# Altium PCB AKK_V2.1.PcbDoc (continued)
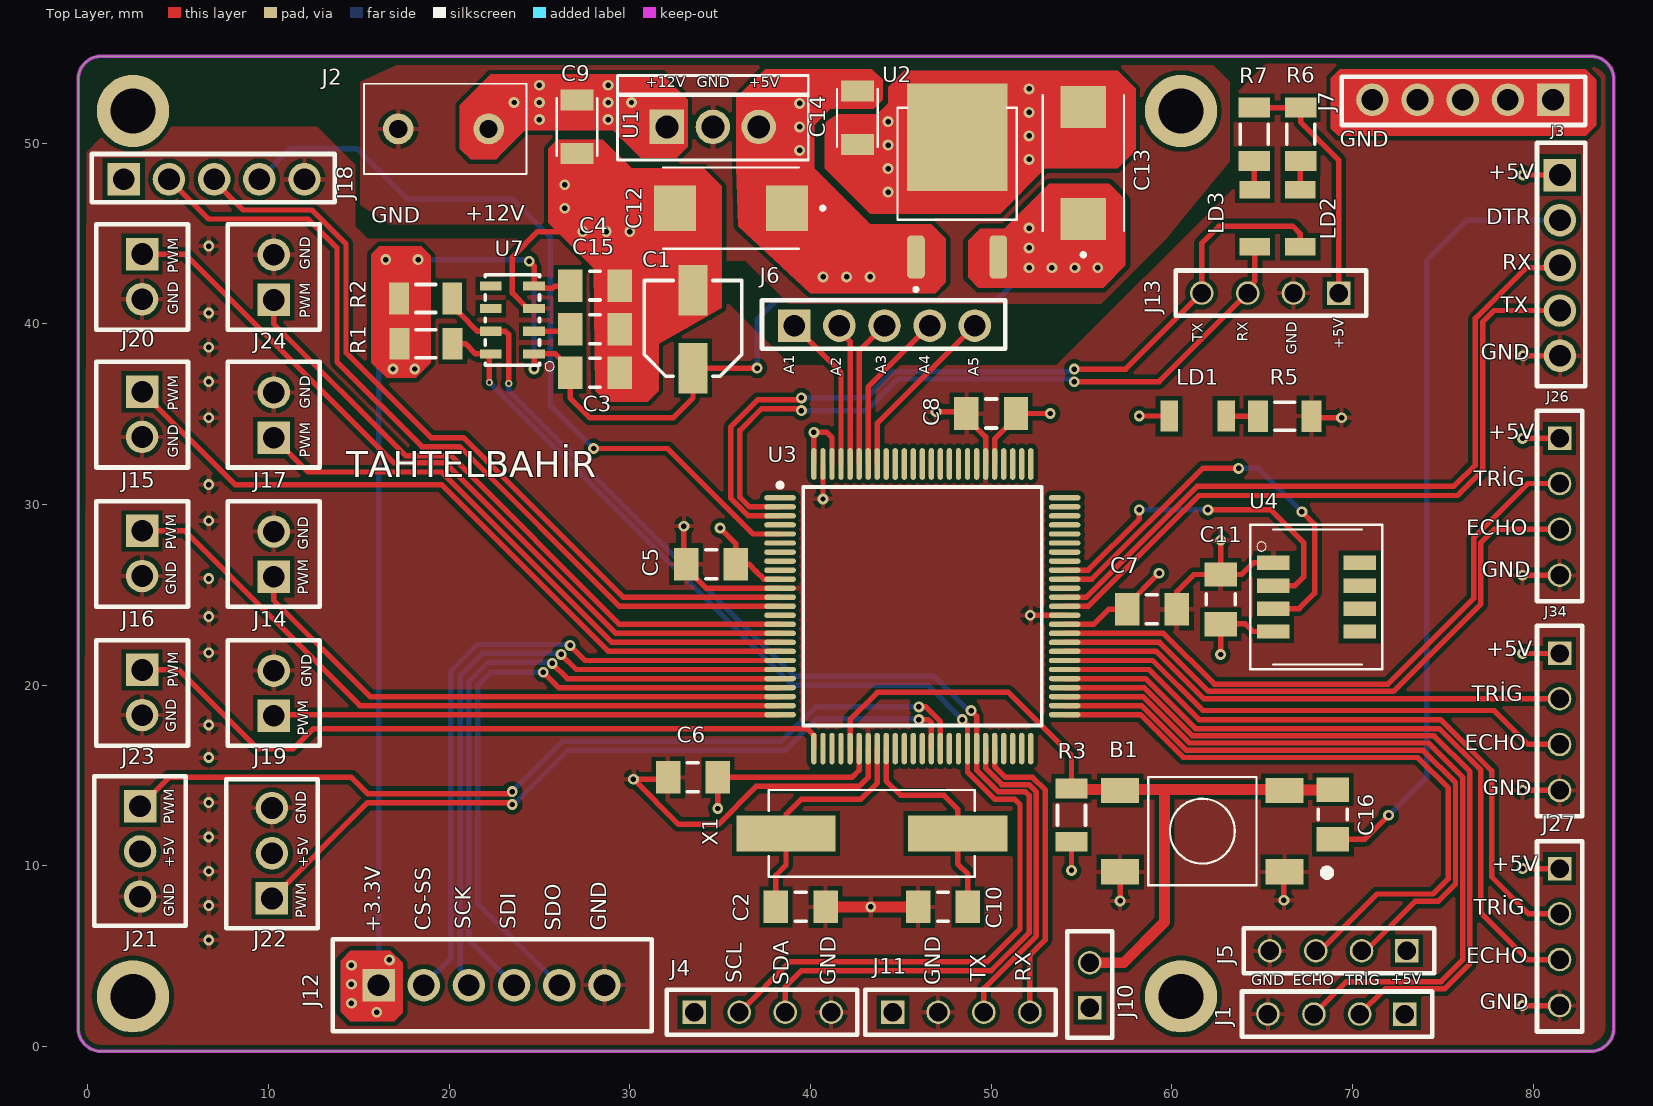
[diagram p0: Top Layer view]
## Part data
B1: library part B3FS-1012P, "SWITCH TACTILE SPST-NO 0.05A 24V", Case/Package=SMD/SMT, Contact Resistance=100mR, Current Rating=50mA, Manufacturer=Omron, Max Operating Temperature=70°C, Max Voltage Rating (DC)=24V, Min Operating Temperature=-20°C, Operating Force=1.47N, Package Quantity=1, Actuator Length=1.7mm, Actuator Type=Standard, Category="Tactile Switches", ComponentLink1Description=https://datasheet.ciiva.com/30089/en-b3fs-30089264.pdf?src-supplier=Onlinecomponents.com, ComponentLink1URL=https://datasheet.ciiva.com/30089/en-b3fs-30089264.pdf?src-supplier=Onlinecomponents.com, ComponentLink2Description=https://datasheet.ciiva.com/2901/1200910001-jpg-2901308.pdf?src-supplier=Digi-Key, ComponentLink2URL=https://datasheet.ciiva.com/2901/1200910001-jpg-2901308.pdf?src-supplier=Digi-Key, ComponentLink3Description=https://datasheet.ciiva.com/2901/en-b3fs-2901309.pdf?src-supplier=Digi-Key, ComponentLink3URL=https://datasheet.ciiva.com/2901/en-b3fs-2901309.pdf?src-supplier=Digi-Key, ComponentLink4Description=https://datasheet.ciiva.com/2901/en-b3fs-2901310.pdf?src-supplier=Digi-Key, ComponentLink4URL=https://datasheet.ciiva.com/2901/en-b3fs-2901310.pdf?src-supplier=Digi-Key, Contact Plating=Silver, Depth=8mm, Electrical Life=300000Cycles, Length=6.3mm, Manufacturer Part Number=B3FS-1012P, Max Current Rating=50mA, Mechanical Life=300000Cycles, Mount="Surface Mount", Orientation=Straight, Packaging="Tape and Reel", Pricing 1="1000=0,33775, 2000=0,33710, 4000=0,33643, 6000=0,32612, 8000=0,30625 (USD)", Radiation Hardening=No, RoHS=Yes, Stock 1=221000, Supplier 1=Avnet, Supplier Part Number 1=B3FS-1012P, Switch Function=Off-Mom, Switch Travel=0.25mm, Termination="Gull Wing", Throw Configuration=SPST, Voltage Rating (DC)=24V, Weight=0.2g, Illumination Type=Non-Illuminated
C1: library part EEE-1CA100SR, "Capacitor; Alum Electrolytic; Cap 10 uF; Tol 20%; Vol-Rtg 16 VDC; SMT; 4x5.5; Cut Tape", Capacitance=10uF, Case/Package=Radial, Dielectric Material=Aluminium, Leakage Current=3uA, Manufacturer=Panasonic, Max Operating Temperature=85°C, Min Operating Temperature=-40°C, Package Quantity=2000, Ripple Current=28mA, Tolerance=20%, Voltage=16V, Category="Aluminum Electrolytic Capacitors", ComponentLink1Description=https://datasheet.ciiva.com/11784/0900766b8078636e-11784608.pdf?src-supplier=RSComponents, ComponentLink1URL=https://datasheet.ciiva.com/11784/0900766b8078636e-11784608.pdf?src-supplier=RSComponents, ComponentLink2Description=https://datasheet.ciiva.com/19458/1355487-19458346.pdf?src-supplier=Jameco, ComponentLink2URL=https://datasheet.ciiva.com/19458/1355487-19458346.pdf?src-supplier=Jameco, ComponentLink3Description=https://datasheet.ciiva.com/2983/aba0000ce2-2983908.pdf?src-supplier=Avnet, ComponentLink3URL=https://datasheet.ciiva.com/2983/aba0000ce2-2983908.pdf?src-supplier=Avnet, ComponentLink4URL=https://datasheet.ciiva.com/46435/aba0000ce2-46435189.pdf?src-supplier=Element14, ComponentLink6Description=https://datasheet.ciiva.com/43485/aba0000ce2-43485607.pdf?src-supplier=Farnell, ComponentLink6URL=https://datasheet.ciiva.com/43485/aba0000ce2-43485607.pdf?src-supplier=Farnell, ComponentLink7URL=https://datasheet.ciiva.com/14603/70255710-14603768.pdf?src-supplier=Allied+Electronics, ComponentLink8Description=https://datasheet.ciiva.com/17353/aba0000ce2-17353304.pdf?src-supplier=Avnet+Europe, ComponentLink8URL=https://datasheet.ciiva.com/17353/aba0000ce2-17353304.pdf?src-supplier=Avnet+Europe, ComponentLink9Description=https://datasheet.ciiva.com/14589/70255710-14589897.pdf?src-supplier=Allied+Electronics, ComponentLink9URL=https://datasheet.ciiva.com/14589/70255710-14589897.pdf?src-supplier=Allied+Electronics, Contact Plating=Tin, Diameter=4mm, Height=5.4mm, Height - Seated (Max)=0.213inch, Lead Free="Lead Free", Lead Length=1.8mm, Lead Pitch=1mm, Length=5.5mm, Life (Hours)=2000Hour, Manufacturer Part Number=EEE-1CA100SR, Mount="Surface Mount,PCB", Number of Pins=2, Packaging="Tape and Reel", Polarity=Polar, Pricing 1="2000=0,05160, 4000=0,05110, 10000=0,04690, 1=0,22540, 10=0,18810 (USD)", Radiation Hardening=No, REACH SVHC="No SVHC", Ripple Current (AC)=28mA, RoHS=Yes, Stock 1=148000, Supplier 1=Arrow, Supplier Part Number 1=EEE-1CA100SR, Termination=SMD/SMT, Voltage Rating=16V, Voltage Rating (DC)=16V, Width=4.3mm
C2 C3 C4 C5 C6 C7 C8 C10 C11 C15: library part C1206C104K5RAC7210, "CAP CER 0.1UF 50V X7R 1206", Capacitance=100nF, Case Code (Metric)=3216, Case Code (Imperial)=1206, Dielectric=X7R, Dielectric Material=Ceramic, Manufacturer=KEMET, Max Operating Temperature=125°C, Min Operating Temperature=-55°C, Package Quantity=10000, Supplier Part Number 1=399-7357-2-ND, Tolerance=10%, Voltage Rating=50V, Case/Package=1206, Category="Ceramic Capacitors", ComponentLink1Description=https://datasheet.ciiva.com/16623/datasheetpn-c1206c104k5rac7210-16623777.pdf?src-supplier=Avnet+Europe, ComponentLink1URL=https://datasheet.ciiva.com/16623/datasheetpn-c1206c104k5rac7210-16623777.pdf?src-supplier=Avnet+Europe, ComponentLink2Description=https://datasheet.ciiva.com/18194/getdatasheetpartid-94372-18194154.pdf?src-supplier=Verical, ComponentLink2URL=https://datasheet.ciiva.com/18194/getdatasheetpartid-94372-18194154.pdf?src-supplier=Verical, Depth=1.6mm, Height=0.78mm, Length=3.2mm, Manufacturer Part Number=C1206C104K5RAC7210, Mount="Surface Mount", Packaging="Tape and Reel", Pricing 1="10000=0,01650, 20000=0,01568 (USD)", Radiation Hardening=No, RoHS=Yes, Stock 1=70000, Supplier 1=Digi-Key, Termination=SMD/SMT, Thickness=0.035inch, Voltage Rating (DC)=50V, Width=1.6mm
C9 C14: library part TCJA106M020R0150, "CAP TANT POLY 10UF 20V 1206", Capacitance=10uF, Case Code (Metric)=3216, Case Code (Imperial)=1206, ESR (Equivalent Series Resistance)=150mR, Manufacturer="Kyocera AVX", Max Operating Temperature=105°C, Min Operating Temperature=-55°C, Supplier Part Number 1=TCJA106M020R0150-REEL, Tolerance=20%, Voltage Rating=20V, Case/Package=1206, Category="Polymer Capacitors", ComponentLink1Description=http://www.farnell.com/datasheets/2708905.pdf?src-supplier=Farnell, ComponentLink1URL=http://www.farnell.com/datasheets/2708905.pdf?src-supplier=Farnell, ComponentLink2Description=http://datasheets.avx.com/TCJ.pdf?src-supplier=Digi-Key, ComponentLink2URL=http://datasheets.avx.com/TCJ.pdf?src-supplier=Digi-Key, ComponentLink3Description=http://catalogs.avx.com/TantalumNiobium.pdf?src-supplier=Digi-Key, ComponentLink3URL=http://catalogs.avx.com/TantalumNiobium.pdf?src-supplier=Digi-Key, Features="General Purpose", Life (Hours)=2000Hour, Manufacturer Part Number=TCJA106M020R0150, Mount="Surface Mount", Packaging="Tape and Reel", Pricing 1="2000=0,29500 (USD)", RoHS=No, Stock 1=8000, Supplier 1="Future Electronics"
C12: library part TCJD226M035R0100, "CAP TANT POLY 22UF 35V 2917", Case Code (Metric)=7343, Case Code (Imperial)=2917, ESR (Equivalent Series Resistance)=100mR, Manufacturer="Kyocera AVX", Max Operating Temperature=125°C, Min Operating Temperature=-55°C, Package Quantity=1, Resistance=0.1R, Tolerance=20%, Voltage Rating=35V, Capacitance=22uF, Case/Package=2917, Category="Tantalum Capacitors", ComponentLink1Description=https://datasheet.ciiva.com/265/tcj-265476.pdf?src-supplier=Digi-Key, ComponentLink1URL=https://datasheet.ciiva.com/265/tcj-265476.pdf?src-supplier=Digi-Key, ComponentLink2Description=https://datasheet.ciiva.com/265/tcj-265477.pdf?src-supplier=Digi-Key, ComponentLink2URL=https://datasheet.ciiva.com/265/tcj-265477.pdf?src-supplier=Digi-Key, ComponentLink3Description=https://datasheet.ciiva.com/265/tcj-265478.pdf?src-supplier=Digi-Key, ComponentLink3URL=https://datasheet.ciiva.com/265/tcj-265478.pdf?src-supplier=Digi-Key, Depth=4.3mm, Height=3.1mm, Height - Seated (Max)=0.122inch, Lead Free="Lead Free", Length=7.3mm, Manufacturer Part Number=TCJD226M035R0100, Mount="Surface Mount", Packaging="Tape and Reel", Pricing 1="1=2,46600, 10=2,37000, 25=2,34600, 100=2,07700, 250=2,06700 (USD)", Radiation Hardening=No, RoHS=Yes, Stock 1=400, Supplier 1=Arrow, Supplier Part Number 1=TCJD226M035R0100, Termination=SMD/SMT, Voltage Rating (DC)=35V, Width=4.3mm
C13: library part TCJD226M035R0100, "CAP TANT POLY 22UF 35V 2917", Capacitance=22uF, Case Code (Metric)=7343, Case Code (Imperial)=2917, ESR (Equivalent Series Resistance)=100mR, Manufacturer="Kyocera AVX", Max Operating Temperature=125°C, Min Operating Temperature=-55°C, Package Quantity=1, Resistance=0.1R, Tolerance=20%, Voltage Rating=35V, Case/Package=2917, Category="Tantalum Capacitors", ComponentLink1Description=https://datasheet.ciiva.com/265/tcj-265476.pdf?src-supplier=Digi-Key, ComponentLink1URL=https://datasheet.ciiva.com/265/tcj-265476.pdf?src-supplier=Digi-Key, ComponentLink2Description=https://datasheet.ciiva.com/265/tcj-265477.pdf?src-supplier=Digi-Key, ComponentLink2URL=https://datasheet.ciiva.com/265/tcj-265477.pdf?src-supplier=Digi-Key, ComponentLink3Description=https://datasheet.ciiva.com/265/tcj-265478.pdf?src-supplier=Digi-Key, ComponentLink3URL=https://datasheet.ciiva.com/265/tcj-265478.pdf?src-supplier=Digi-Key, Depth=4.3mm, Height=3.1mm, Height - Seated (Max)=0.122inch, Lead Free="Lead Free", Length=7.3mm, Manufacturer Part Number=TCJD226M035R0100, Mount="Surface Mount", Packaging="Tape and Reel", Pricing 1="1=2,46600, 10=2,37000, 25=2,34600, 100=2,07700, 250=2,06700 (USD)", Radiation Hardening=No, RoHS=Yes, Stock 1=400, Supplier 1=Arrow, Supplier Part Number 1=TCJD226M035R0100, Termination=SMD/SMT, Voltage Rating (DC)=35V, Width=4.3mm
C16: library part C1206C104K5RAC7210, "CAP CER 0.1UF 50V X7R 1206", Case Code (Metric)=3216, Case Code (Imperial)=1206, Dielectric=X7R, Dielectric Material=Ceramic, Manufacturer=KEMET, Max Operating Temperature=125°C, Min Operating Temperature=-55°C, Package Quantity=10000, Supplier Part Number 1=399-7357-2-ND, Tolerance=10%, Voltage Rating=50V, Capacitance=100nF, Case/Package=1206, Category="Ceramic Capacitors", ComponentLink1Description=https://datasheet.ciiva.com/16623/datasheetpn-c1206c104k5rac7210-16623777.pdf?src-supplier=Avnet+Europe, ComponentLink1URL=https://datasheet.ciiva.com/16623/datasheetpn-c1206c104k5rac7210-16623777.pdf?src-supplier=Avnet+Europe, ComponentLink2Description=https://datasheet.ciiva.com/18194/getdatasheetpartid-94372-18194154.pdf?src-supplier=Verical, ComponentLink2URL=https://datasheet.ciiva.com/18194/getdatasheetpartid-94372-18194154.pdf?src-supplier=Verical, Depth=1.6mm, Height=0.78mm, Length=3.2mm, Manufacturer Part Number=C1206C104K5RAC7210, Mount="Surface Mount", Packaging="Tape and Reel", Pricing 1="10000=0,01650, 20000=0,01568 (USD)", Radiation Hardening=No, RoHS=Yes, Stock 1=70000, Supplier 1=Digi-Key, Termination=SMD/SMT, Thickness=0.035inch, Voltage Rating (DC)=50V, Width=1.6mm
J1 J4 J5 J11 J13 J26 J27 J34: library part PPTC041LFBN-RC, "CONN HDR 4POS 0.1 TIN PCB", Color=Black, Manufacturer=Sullins, Package Quantity=1000, Supplier Part Number 1=PPTC041LFBN-RC-TRAY, Category=Connectors, ComponentLink1Description=https://media.digikey.com/pdf/Data%20Sheets/Sullins%20PDFs/Female_Headers.100_DS.pdf?src-supplier=Digi-Key, ComponentLink1URL=https://media.digikey.com/pdf/Data%20Sheets/Sullins%20PDFs/Female_Headers.100_DS.pdf?src-supplier=Digi-Key, ComponentLink2Description=http://www.sullinscorp.com/catalogs/78_Page80-81_HEADER_.100_2.54mm_FEMALE.pdf?src-supplier=Future+Electronics, ComponentLink2URL=http://www.sullinscorp.com/catalogs/78_Page80-81_HEADER_.100_2.54mm_FEMALE.pdf?src-supplier=Future+Electronics, Connector Type=Header,Socket, Contact Material=Bronze, Contact Plating=Tin, Height=8.5mm, Housing Material=Plastic, Lead Free="Lead Free", Length=10.7mm, Manufacturer Part Number=PPTC041LFBN-RC, Mount="Through Hole", Number of Positions=4, Number of Rows=1, Packaging=Bulk, Pitch=0.1inch, Pricing 1="1=0,42500, 150=0,29500, 400=0,27500, 1500=0,24500, 4000=0,23000 (USD)", RoHS=Yes, Stock 1=13214, Supplier 1="Future Electronics", Termination=Solder, Width=2.5mm
J2: library part OSTTH020160, "Terminal Block Plug Female Socket 2 Position 5mm Screw Straight Cable Mount 15A", Color=Blue, Manufacturer="On-Shore Technology", Max Current Rating=15A, Max Operating Temperature=105°C, Min Operating Temperature=-30°C, Package Quantity=1, Supplier Part Number 1=ED2655-ND, Category="Terminal Blocks", Contact Material=Brass,Steel, Housing Color=Blue, Housing Material=Thermoplastic, Manufacturer Part Number=OSTTH020160, Mount="Free Hanging,Cable", Number of Rows=1, Orientation=Straight, Packaging=Bulk, Pricing 1="1=0,91000, 10=0,56800, 25=0,48600, 50=0,43680, 100=0,42770, 250=0,36400, 500=0,34580, 1000=0,30940, 5000=0,24206 (USD)", RoHS=Yes, Stock 1=15120, Supplier 1=Digi-Key
J3 J6 J7 J18: library part PPPC051LFBN-RC, "CONN HDR 5POS 0.1 GOLD PCB", Color=Black, Manufacturer=Sullins, Package Quantity=1000, Supplier Part Number 1=PPPC051LFBN-RC-TRAY, Category=Connectors, ComponentLink1Description=https://media.digikey.com/pdf/Data%20Sheets/Sullins%20PDFs/Female_Headers.100_DS.pdf?src-supplier=Digi-Key, ComponentLink1URL=https://media.digikey.com/pdf/Data%20Sheets/Sullins%20PDFs/Female_Headers.100_DS.pdf?src-supplier=Digi-Key, ComponentLink2Description=http://www.sullinscorp.com/catalogs/78_Page80-81_HEADER_.100_2.54mm_FEMALE.pdf?src-supplier=Future+Electronics, ComponentLink2URL=http://www.sullinscorp.com/catalogs/78_Page80-81_HEADER_.100_2.54mm_FEMALE.pdf?src-supplier=Future+Electronics, Connector Type=Header,Socket, Contact Material=Bronze, Contact Plating=Gold, Height=8.5mm, Housing Material=Plastic, Lead Free="Lead Free", Length=13.2mm, Manufacturer Part Number=PPPC051LFBN-RC, Mount="Through Hole", Number of Positions=5, Number of Rows=1, Packaging=Bulk, Pitch=0.1inch, Pricing 1="1=0,46000, 125=0,32000, 400=0,29000, 1250=0,27000, 4000=0,24500 (USD)", RoHS=Yes, Stock 1=4112, Supplier 1="Future Electronics", Termination=Solder, Width=2.5mm
J10: library part PPTC021LFBN-RC, "CONN HDR 2POS 0.1 TIN PCB", Color=Black, Manufacturer=Sullins, Package Quantity=1000, Supplier Part Number 1=S7000-ND, Category=Connectors, ComponentLink1URL=https://media.digikey.com/pdf/Data%20Sheets/Sullins%20PDFs/Female_Headers.100_DS.pdf?src-supplier=Digi-Key, Connector Type=Header,Socket, Contact Material=Bronze, Contact Plating=Tin, Height=8.5mm, Housing Material=Plastic, Lead Free="Lead Free", Length=5.58mm, Manufacturer Part Number=PPTC021LFBN-RC, Mount="Through Hole", Number of Positions=2, Number of Rows=1, Packaging=Bulk, Pitch=0.1inch, Pricing 1="1=0,32000, 10=0,30600, 100=0,21390, 500=0,18334, 1000=0,15278, 5000=0,13095, 10000=0,12610 (USD)", RoHS=Yes, Stock 1=44683, Supplier 1=Digi-Key, Termination=Solder, Width=2.5mm
J12: library part B6B-XH-A, "Pin header, single-row straight 6-pin 2.5 mm Pole no. 6 XH, B6B-XH-A, JST", Color=Natural, Contact Resistance=10mR, Current Rating=3A, Manufacturer=JST, Package Quantity=500, Supplier Part Number 1=B6B-XH-A-ND, Insulation Resistance=1GR, Category="FFC / FPC", ComponentLink1Description=https://datasheet.ciiva.com/6905/exh-6905738.pdf?src-supplier=Digi-Key, ComponentLink1URL=https://datasheet.ciiva.com/6905/exh-6905738.pdf?src-supplier=Digi-Key, Connector Type="Male Pin", Contact Material=Bronze,Tin, Contact Plating=Tin,Lead, Fastening Type=Detent, Housing Color=Natural, Housing Material=Nylon, Lead Free="Contains Lead", Manufacturer Part Number=B6B-XH-A, Mount="Through Hole", Number of Contacts=6, Number of Positions=6, Number of Rows=1, Orientation=Straight, Packaging=Bulk, Pitch=0.098inch, RoHS=Yes, Supplier 1=Digi-Key, Termination=Press-Fit
J14 J15 J16 J17 J19 J20 J23 J24: library part B2P-VH(LF)(SN), "JST (JAPAN SOLDERLESS TERMINALS) - B2P-VH(LF)(SN) - Wire-To-Board Connector, Vertical, 3.96 mm, 2 Contacts, Header, VH Series, Crimp, 1 Rows", Color=Natural, Contact Resistance=20mR, Current Rating=10A, Flammability Rating="UL94 V-0", Housing Color=White, Manufacturer=JST, Max Operating Temperature=85°C, Max Voltage Rating (AC)=250V, Min Operating Temperature=-25°C, Supplier Part Number 1="B2P-VH (LF) (SN)", Insulation Resistance=1GR, Category="Headers and Wire Housings", ComponentLink1Description=https://datasheet.ciiva.com/11752/0900766b80826546-11752094.pdf?src-supplier=RSComponents, ComponentLink1URL=https://datasheet.ciiva.com/11752/0900766b80826546-11752094.pdf?src-supplier=RSComponents, ComponentLink2Description=https://datasheet.ciiva.com/20207/523651-20207206.pdf?src-supplier=Rapid+Electronics, ComponentLink2URL=https://datasheet.ciiva.com/20207/523651-20207206.pdf?src-supplier=Rapid+Electronics, ComponentLink3Description=https://datasheet.ciiva.com/712/evh-712456.pdf?src-supplier=Digi-Key, ComponentLink3URL=https://datasheet.ciiva.com/712/evh-712456.pdf?src-supplier=Digi-Key, ComponentLink4Description=https://datasheet.ciiva.com/8052/80543-8052029.pdf?src-supplier=Element14, ComponentLink4URL=https://datasheet.ciiva.com/8052/80543-8052029.pdf?src-supplier=Element14, Connector Type="Header,Male Pin", Contact Material=Brass,Tin, Contact Mating Length=0.303inch, Contact Plating=Tin,Copper, Contact Shape=Square, Depth=8.5mm, Fastening Type=Ramp, Gender=Male, Height=8.5mm, Housing Material=Polyamide, Lead Free="Lead Free", Lead Pitch=3.96mm, Length=7.86mm, Manufacturer Part Number=B2P-VH(LF)(SN), Max Current Rating=10A, Max Voltage Rating (DC)=250V, Mount="Through Hole", Number of Contacts=2, Number of Pins=2, Number of Positions=2, Number of Rows=1, Orientation=Straight, Packaging=Bulk, Pitch=3.96mm, Pricing 1="1=0,16550, 10=0,15820, 100=0,11000, 500=0,09150, 1000=0,07520, 5000=0,06590, 10000=0,05930 (USD)", REACH SVHC="No SVHC", RoHS=Yes, Stock 1=135818, Supplier 1=Arrow, Termination=Solder, Voltage Rating=250V, Voltage Rating (AC)=250V, Voltage Rating (DC)=250V, Width=14.6mm, Working Voltage=250V, Insulation Color=Natural, Insulation Material=Nylon
J21 J22: library part 2-644861-3, "03P MTA100 SHRD HDR,W/O PEG SN", Color=Black, Manufacturer="TE Connectivity", Category=Connectors, Contact Material="Copper Alloy", Contact Plating=Tin,Matte, Contact Shape=Square, Housing Color=Black, Housing Material=Polyester, Manufacturer Part Number=2-644861-3, Mount="Through Hole", Pricing 1="1=0,49960, 10=0,41460, 100=0,35580, 500=0,30750, 1000=0,25050, 5000=0,21910, 10000=0,19960 (USD)", RoHS=Yes, Stock 1=396, Supplier 1=Arrow, Supplier Part Number 1=2-644861-3
LD1 LD2 LD3: library part APTR3216PBC/A, "LED BLUE CLEAR 1206 SMD", Case Code (Metric)=3216, Case Code (Imperial)=1206, Color=Blue, Forward Current=20mA, Forward Voltage=3.2V, Lens Color=Colorless, Manufacturer=Kingbright, Max Operating Temperature=85°C, Min Operating Temperature=-40°C, Package Quantity=2000, Power Dissipation=75mW, Reverse Voltage=5V, Supplier Part Number 1=754-1169-1-ND, Case/Package=1206, Category=LEDs, ComponentLink1Description=https://datasheet.ciiva.com/2114/aptr3216pbc-a-2114354.pdf?src-supplier=Digi-Key, ComponentLink1URL=https://datasheet.ciiva.com/2114/aptr3216pbc-a-2114354.pdf?src-supplier=Digi-Key, ComponentLink2Description=https://datasheet.ciiva.com/4691/aptr3216pbc-a-7371-4691743.pdf?src-supplier=Mouser, ComponentLink2URL=https://datasheet.ciiva.com/4691/aptr3216pbc-a-7371-4691743.pdf?src-supplier=Mouser, ComponentLink3Description=https://datasheet.ciiva.com/2114/aptr3216pbc-a-2114355.pdf?src-supplier=Digi-Key, ComponentLink3URL=https://datasheet.ciiva.com/2114/aptr3216pbc-a-2114355.pdf?src-supplier=Digi-Key, ComponentLink4Description=https://datasheet.ciiva.com/2114/aptr3216pbc-a-2114356.pdf?src-supplier=Digi-Key, ComponentLink4URL=https://datasheet.ciiva.com/2114/aptr3216pbc-a-2114356.pdf?src-supplier=Digi-Key, ComponentLink5Description=https://datasheet.ciiva.com/15117/getdatasheetpartid-144017-15117804.pdf?src-supplier=Verical, ComponentLink5URL=https://datasheet.ciiva.com/15117/getdatasheetpartid-144017-15117804.pdf?src-supplier=Verical, ComponentLink6Description=https://datasheet.ciiva.com/12400/lite-on-ltst-c230krkt-187437-12400814.pdf?src-supplier=Mouser, ComponentLink6URL=https://datasheet.ciiva.com/12400/lite-on-ltst-c230krkt-187437-12400814.pdf?src-supplier=Mouser, ComponentLink7Description=https://datasheet.ciiva.com/16444/ltst-c230krkt-16444734.pdf?src-supplier=Future+Electronics, ComponentLink7URL=https://datasheet.ciiva.com/16444/ltst-c230krkt-16444734.pdf?src-supplier=Future+Electronics, ComponentLink8Description=https://datasheet.ciiva.com/4266/dwonloadfilehandler-ashxtxtspecnods22-2000-253-ashxtxtspecnods22-2000-253-4266917.pdf?src-supplier=Arrow, ComponentLink8URL=https://datasheet.ciiva.com/4266/dwonloadfilehandler-ashxtxtspecnods22-2000-253-ashxtxtspecnods22-2000-253-4266917.pdf?src-supplier=Arrow, ComponentLink9URL=https://datasheet.ciiva.com/11774/0900766b80dc057b-11774044.pdf?src-supplier=RSComponents, Depth=1.6mm, Dominant Wavelength=470nm, Height=1.05mm, Lead Free="Lead Free", Length=3.2mm, Lens Style=Clear, Lens Transparency=Clear, Luminous Intensity=60mcd, Manufacturer Part Number=APTR3216PBC/A, Mount="Surface Mount", Number of Elements=1, Number of LEDs=1, Packaging="Tape and Reel", Power Rating=75mW, Pricing 1="1=0,59000, 10=0,45600, 100=0,29250, 500=0,25156, 1000=0,19422 (USD)", Radiation Hardening=No, RoHS=Yes, Stock 1=128414, Supplier 1=Digi-Key, Test Current=20mA, Viewing Angle=120°, Wavelength=639nm, Width=1.6mm, Illumination Color=Blue
R1 R2 R3 R5 R6 R7: library part HRG3216P-1001-B-T1, "RES SMD 1K OHM 0.1% 1W 1206", Case Code (Metric)=3216, Case Code (Imperial)=1206, Manufacturer=Susumu, Max Operating Temperature=125°C, Max Power Dissipation=1W, Min Operating Temperature=-55°C, Resistance=1kR, Supplier Part Number 1=HRG3216P-1001-B-T1-REEL, Temperature Coefficient=25ppm/°C, Tolerance=0.1%, Case/Package=1206, Category="Chip SMD Resistors", Composition="Thin Film", Manufacturer Part Number=HRG3216P-1001-B-T1, Number of Terminations=2, Packaging="Tape and Reel", Pricing 1="1000=0,55000, 2000=0,45000, 3000=0,44500, 4000=0,44000 (USD)", RoHS=Yes, Stock 1=1000, Supplier 1="Future Electronics"
U1: library part LM2940T-5.0/NOPB, "TEXAS INSTRUMENTS         LM2940T-5.0/NOPB            Fixed LDO Voltage Regulator, 0V to 26V, 500mV Dropout, 5Vout, 1Aout, TO-220-3", Case/Package=TO-220, Dropout Voltage=500mV, Manufacturer="TI National Semiconductor", Max Operating Temperature=125°C, Max Output Current=1A, Max Input Voltage=26V, Min Operating Temperature=-40°C, Min Input Voltage=6.25V, Nominal Output Voltage=5V, Package Quantity=45, Quiescent Current=15mA, Supplier Part Number 1=926-LM2940T-5.0/NOPB, Category="Voltage Regulators - Linear", ComponentLink1Description=https://datasheet.ciiva.com/19477/837505-19477731.pdf?src-supplier=Jameco, ComponentLink1URL=https://datasheet.ciiva.com/19477/837505-19477731.pdf?src-supplier=Jameco, ComponentLink2Description=https://datasheet.ciiva.com/15111/getdatasheetpartid-97895-15111678.pdf?src-supplier=Verical, ComponentLink2URL=https://datasheet.ciiva.com/15111/getdatasheetpartid-97895-15111678.pdf?src-supplier=Verical, ComponentLink3Description=https://datasheet.ciiva.com/41458/001014007-da-01-en-ic-reg-ldo-lm2940t-5-0-nopb-to-220-3-tid-41458133.pdf?src-supplier=Conrad, ComponentLink3URL=https://datasheet.ciiva.com/41458/001014007-da-01-en-ic-reg-ldo-lm2940t-5-0-nopb-to-220-3-tid-41458133.pdf?src-supplier=Conrad, ComponentLink4Description=https://datasheet.ciiva.com/1511/1882643-1511796.pdf?src-supplier=Element14, ComponentLink4URL=https://datasheet.ciiva.com/1511/1882643-1511796.pdf?src-supplier=Element14, ComponentLink5Description=https://datasheet.ciiva.com/6595/lm2940-n-6595369.pdf?src-supplier=Digi-Key, ComponentLink5URL=https://datasheet.ciiva.com/6595/lm2940-n-6595369.pdf?src-supplier=Digi-Key, ComponentLink6Description=https://datasheet.ciiva.com/16466/lm2940c-16466841.pdf?src-supplier=Avnet+Asia, ComponentLink6URL=https://datasheet.ciiva.com/16466/lm2940c-16466841.pdf?src-supplier=Avnet+Asia, ComponentLink7Description=https://datasheet.ciiva.com/3223/lm2940c-3223630.pdf?src-supplier=Avnet, ComponentLink7URL=https://datasheet.ciiva.com/3223/lm2940c-3223630.pdf?src-supplier=Avnet, Contact Plating=Tin,Matte, Height=8.89mm, Lead Free="Lead Free", Length=10.16mm, Manufacturer Part Number=LM2940T-5.0/NOPB, Mount="Through Hole", Number of Outputs=1, Number of Pins=3, Output Current=1A, Output Type=Fixed, Output Voltage=5V, Packaging=Rail/Tube, Polarity=Positive, Pricing 1="1=1,40000, 10=1,19000, 100=0,95400, 250=0,83200, 500=0,80800, 1000=0,64200, 2500=0,61800, 1=1,56000, 10=1,32000, 100=1,06000, 250=0,92400, 500=0,89800, 1000=0,71300 (EUR)", Radiation Hardening=No, REACH SVHC="No SVHC", RoHS=Yes, Stock 1=4213, Supplier 1=Mouser, Voltage=5V, Weight=0.01lb, Width=4.7mm
U2: library part LD29150DT33R, "STMICROELECTRONICS         LD29150DT33R             Fixed LDO Voltage Regulator, 4.3V to 30V, 400mV Dropout, 3.3Vout, 1.5Aout, TO-252-3", Case/Package=TO-252, Dropout Voltage=400mV, Manufacturer=STMicroelectronics, Max Operating Temperature=125°C, Max Output Current=1.5A, Max Output Voltage=3.333V, Max Supply Voltage=30V, Min Operating Temperature=-40°C, Min Output Voltage=3.3V, Min Supply Voltage=4.3V, Output Voltage Accuracy=1%, Package Quantity=1, Quiescent Current=15mA, Reference Voltage=1.2423V, Supplier Part Number 1=511-LD29150DT33R, Accuracy=1%, Category="Voltage Regulators - Linear", ComponentLink1Description=https://datasheet.ciiva.com/1569/1788499-1569956.pdf?src-supplier=Farnell, ComponentLink1URL=https://datasheet.ciiva.com/1569/1788499-1569956.pdf?src-supplier=Farnell, ComponentLink2Description=https://datasheet.ciiva.com/41440/001184976-da-01-en-ic-reg-ldo-3-3-ld29150dt33r-to-252-3-stm-41440118.pdf?src-supplier=Conrad, ComponentLink2URL=https://datasheet.ciiva.com/41440/001184976-da-01-en-ic-reg-ldo-3-3-ld29150dt33r-to-252-3-stm-41440118.pdf?src-supplier=Conrad, ComponentLink3Description=https://datasheet.ciiva.com/26904/ld29150dt33r-26904424.pdf?src-supplier=IIIC, ComponentLink3URL=https://datasheet.ciiva.com/26904/ld29150dt33r-26904424.pdf?src-supplier=IIIC, ComponentLink4Description=https://datasheet.ciiva.com/2044/cd00003403-2044032.pdf?src-supplier=Digi-Key, ComponentLink4URL=https://datasheet.ciiva.com/2044/cd00003403-2044032.pdf?src-supplier=Digi-Key, ComponentLink5Description=https://datasheet.ciiva.com/2044/cd00003403-2044033.pdf?src-supplier=Digi-Key, ComponentLink5URL=https://datasheet.ciiva.com/2044/cd00003403-2044033.pdf?src-supplier=Digi-Key, ComponentLink6Description=https://datasheet.ciiva.com/22694/1904189-22694855.pdf?src-supplier=Element14, ComponentLink6URL=https://datasheet.ciiva.com/22694/1904189-22694855.pdf?src-supplier=Element14, ComponentLink7Description=https://datasheet.ciiva.com/2044/cd00003403-2044031.pdf?src-supplier=Digi-Key, ComponentLink7URL=https://datasheet.ciiva.com/2044/cd00003403-2044031.pdf?src-supplier=Digi-Key, Contact Plating=Tin,Matte, Height=2.4mm, Lead Free="Lead Free", Length=6.6mm, Manufacturer Part Number=LD29150DT33R, Max Input Voltage=30V, Min Input Voltage=4.3V, Mount="Surface Mount", Nominal Output Voltage=3.3V, Number of Outputs=1, Number of Pins=3, Number of Regulators=1, Output Current=1.5A, Output Type=Fixed, Output Voltage=3.3V, Packaging="Tape and Reel", Polarity=Positive, Pricing 1="1=1,46000, 10=1,24000, 100=0,84200, 500=0,79700, 1000=0,62000, 2500=0,58900 (USD)", Radiation Hardening=No, REACH SVHC="No SVHC", RoHS=Yes, Stock 1=10287, Supplier 1=Mouser, Termination=SMD/SMT, Weight=0.01lb, Width=6.2mm, Input Bias Current=15mA